# Altium PCB Proyecto0.PcbDoc (part 1 of 5) (continued)
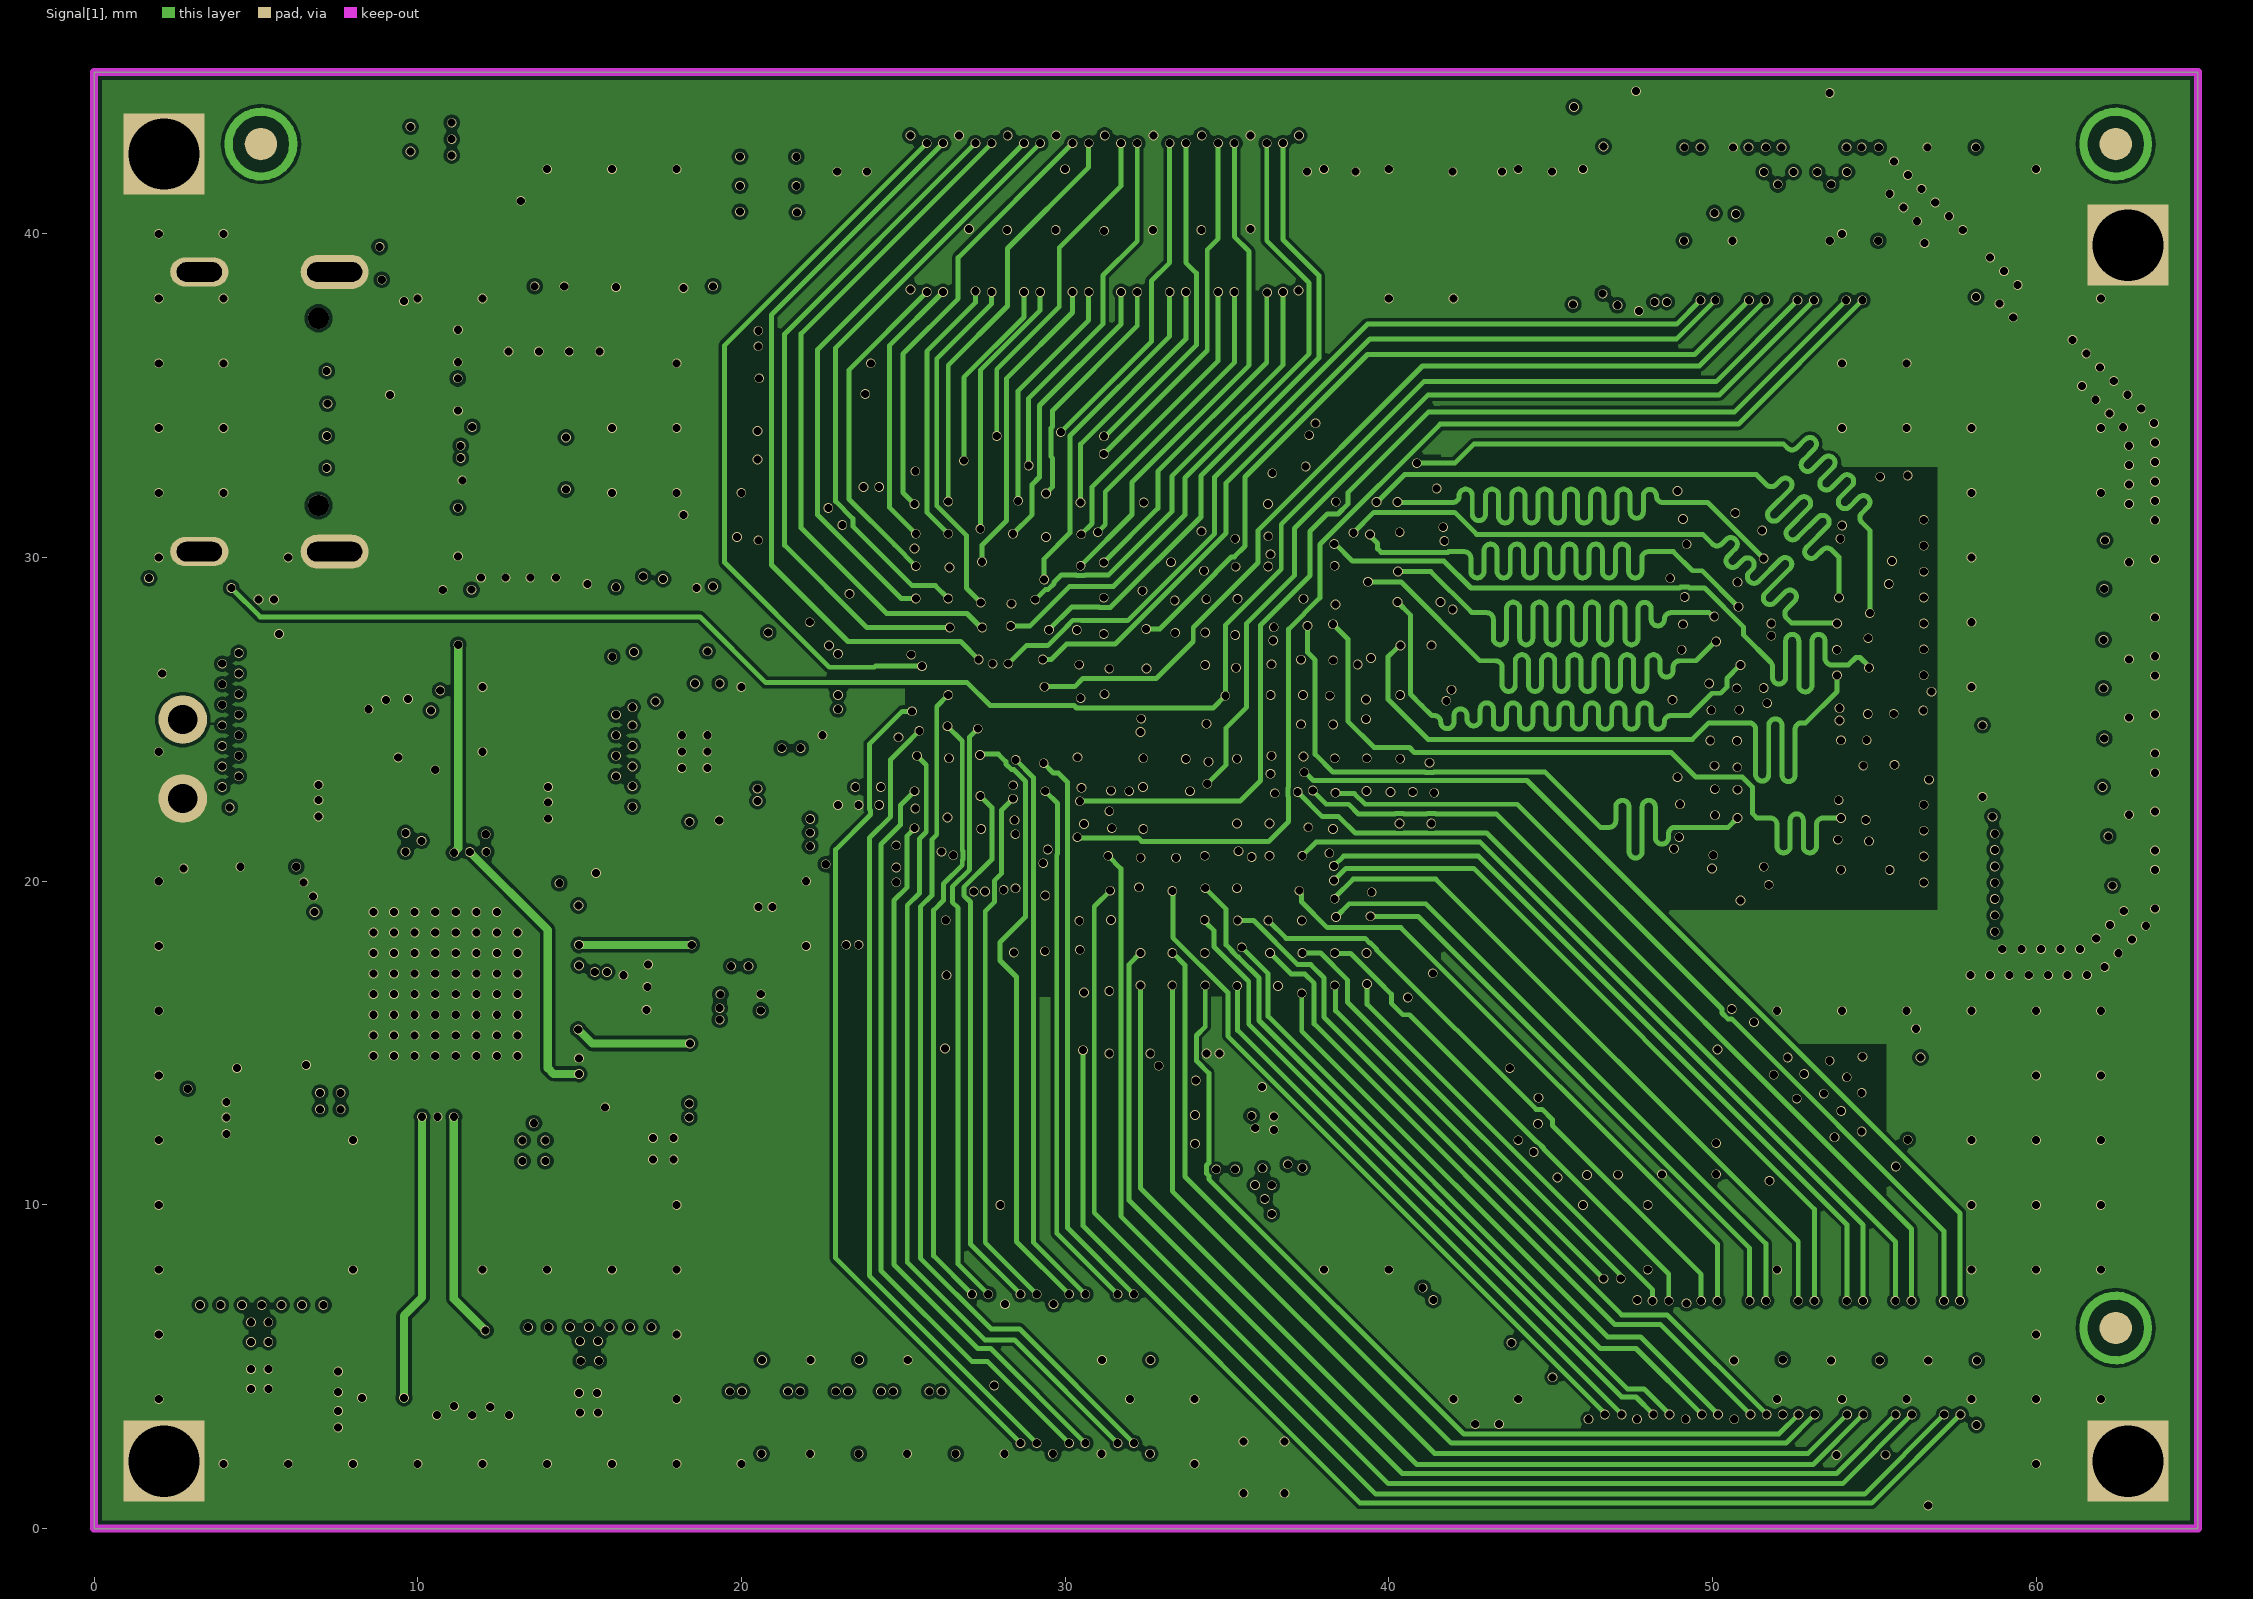
[diagram p4: Signal[1]]
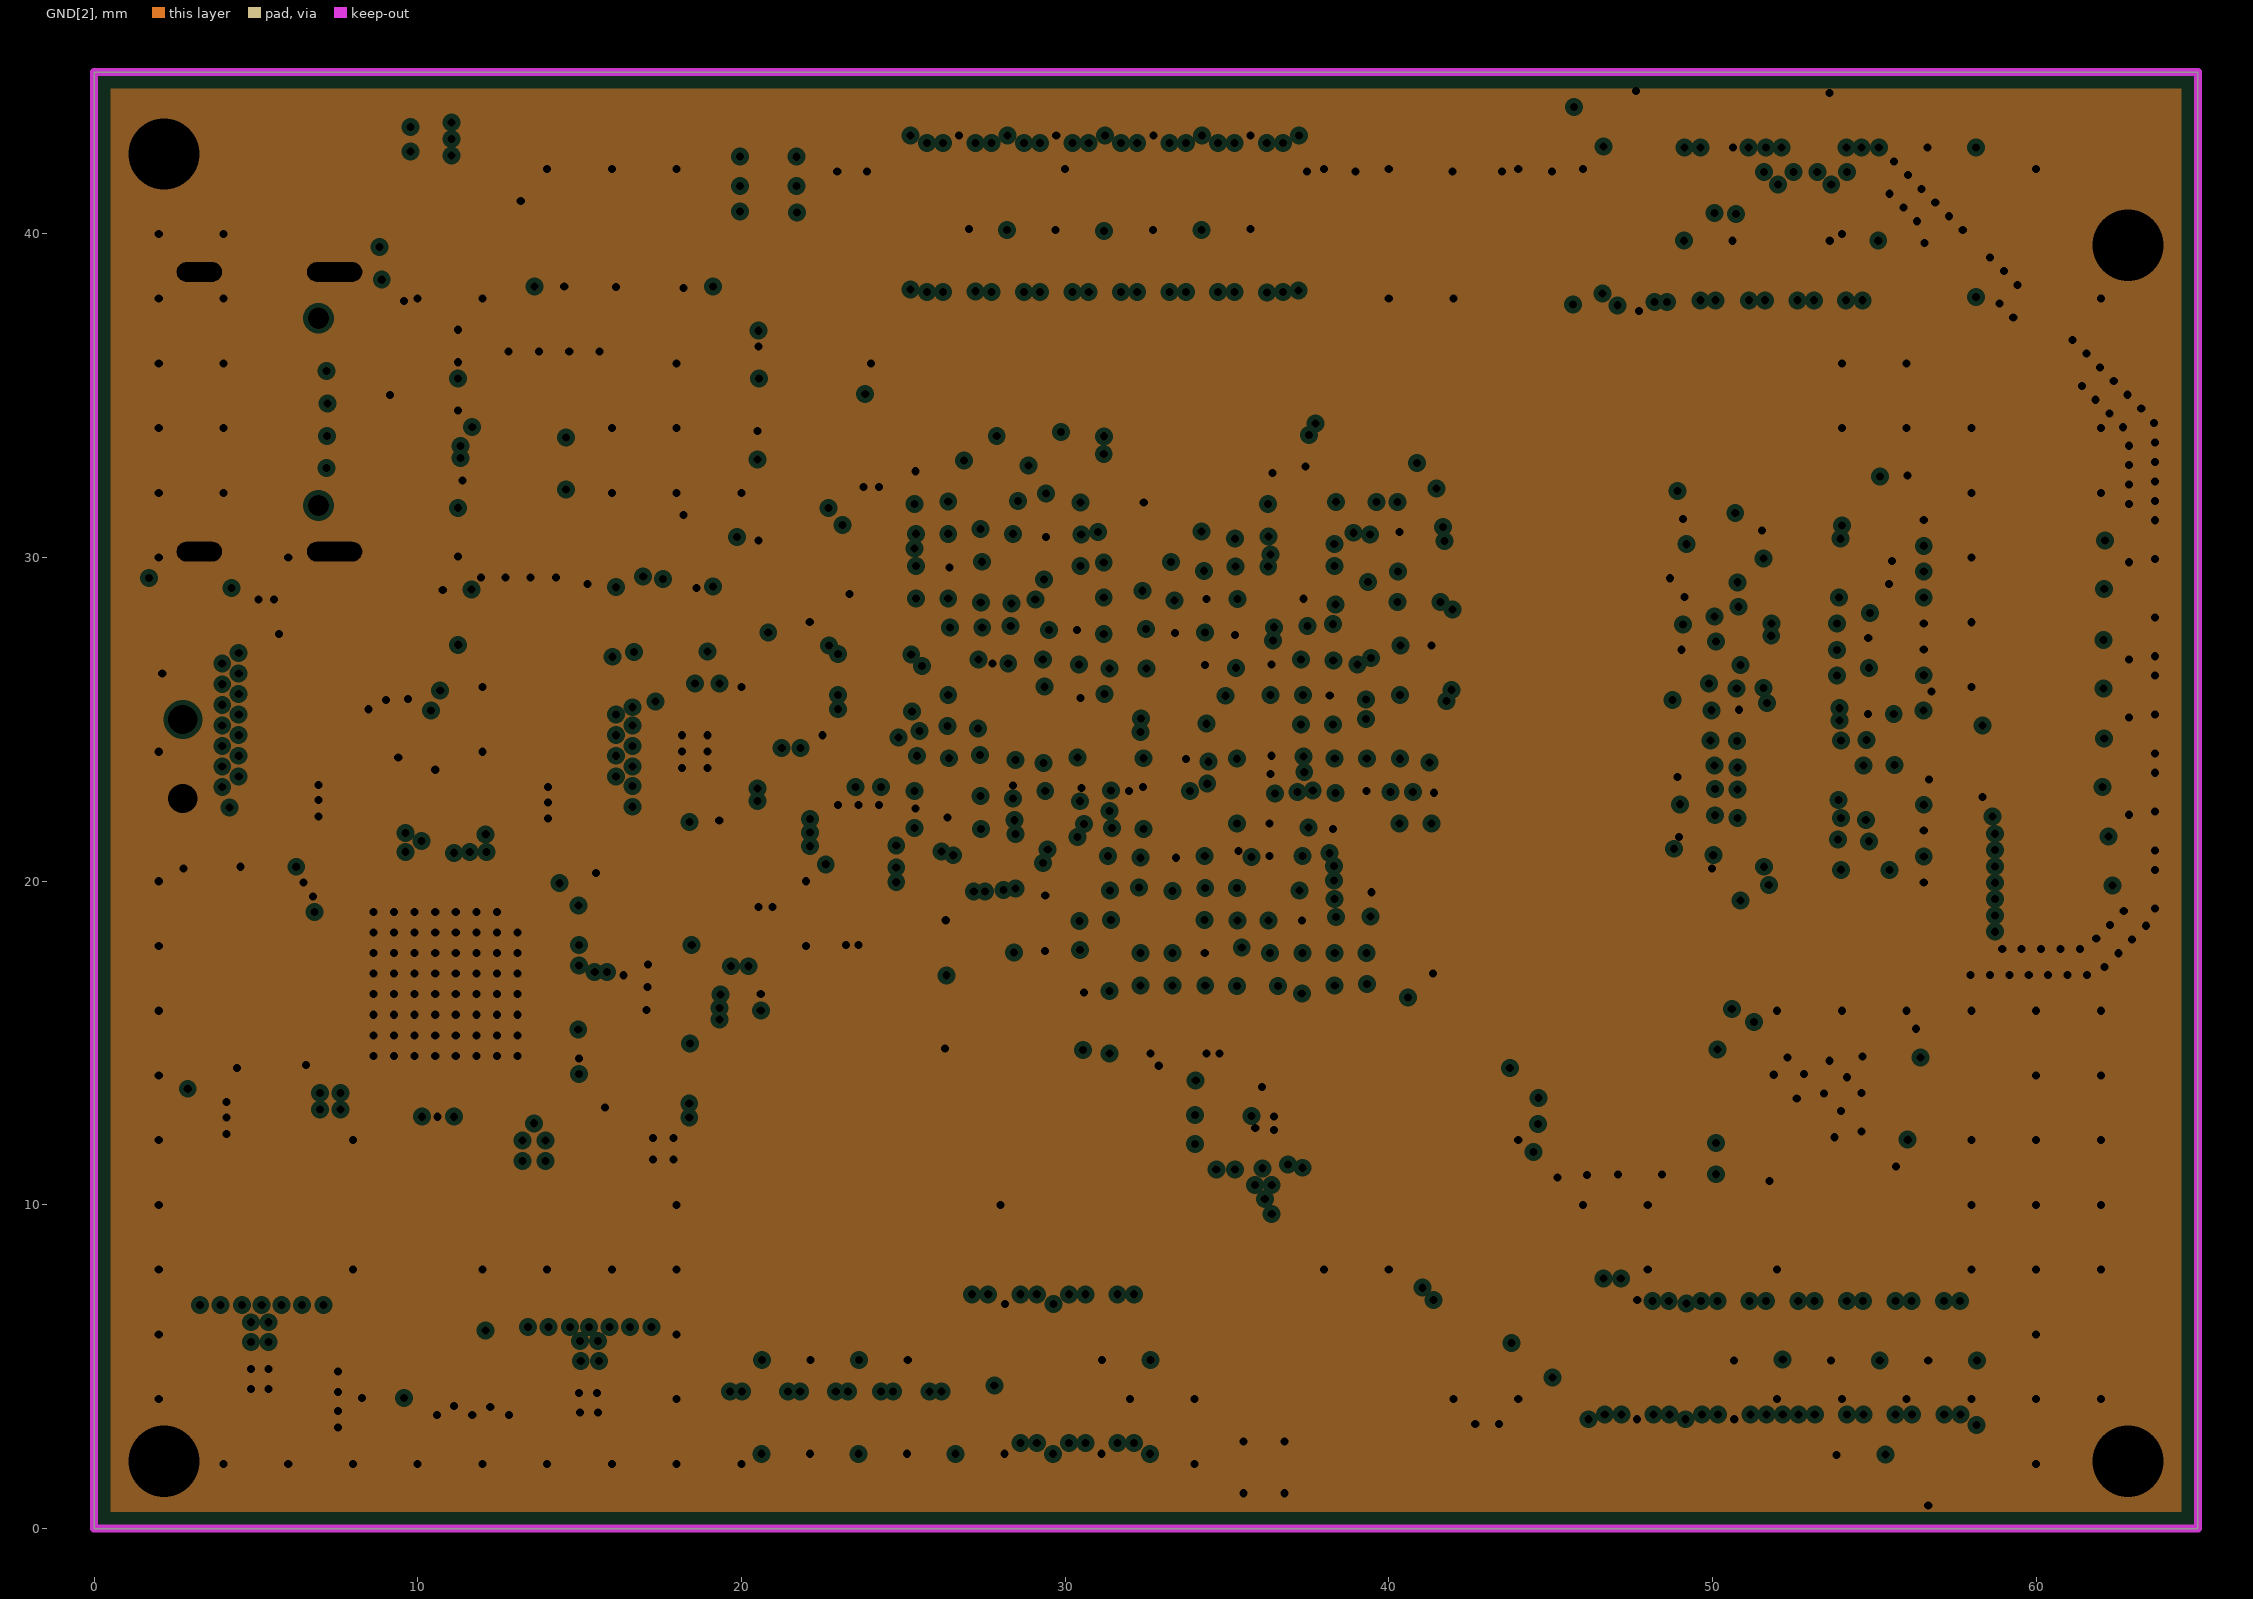
[diagram p5: GND[2], clearances drawn from the general rule]
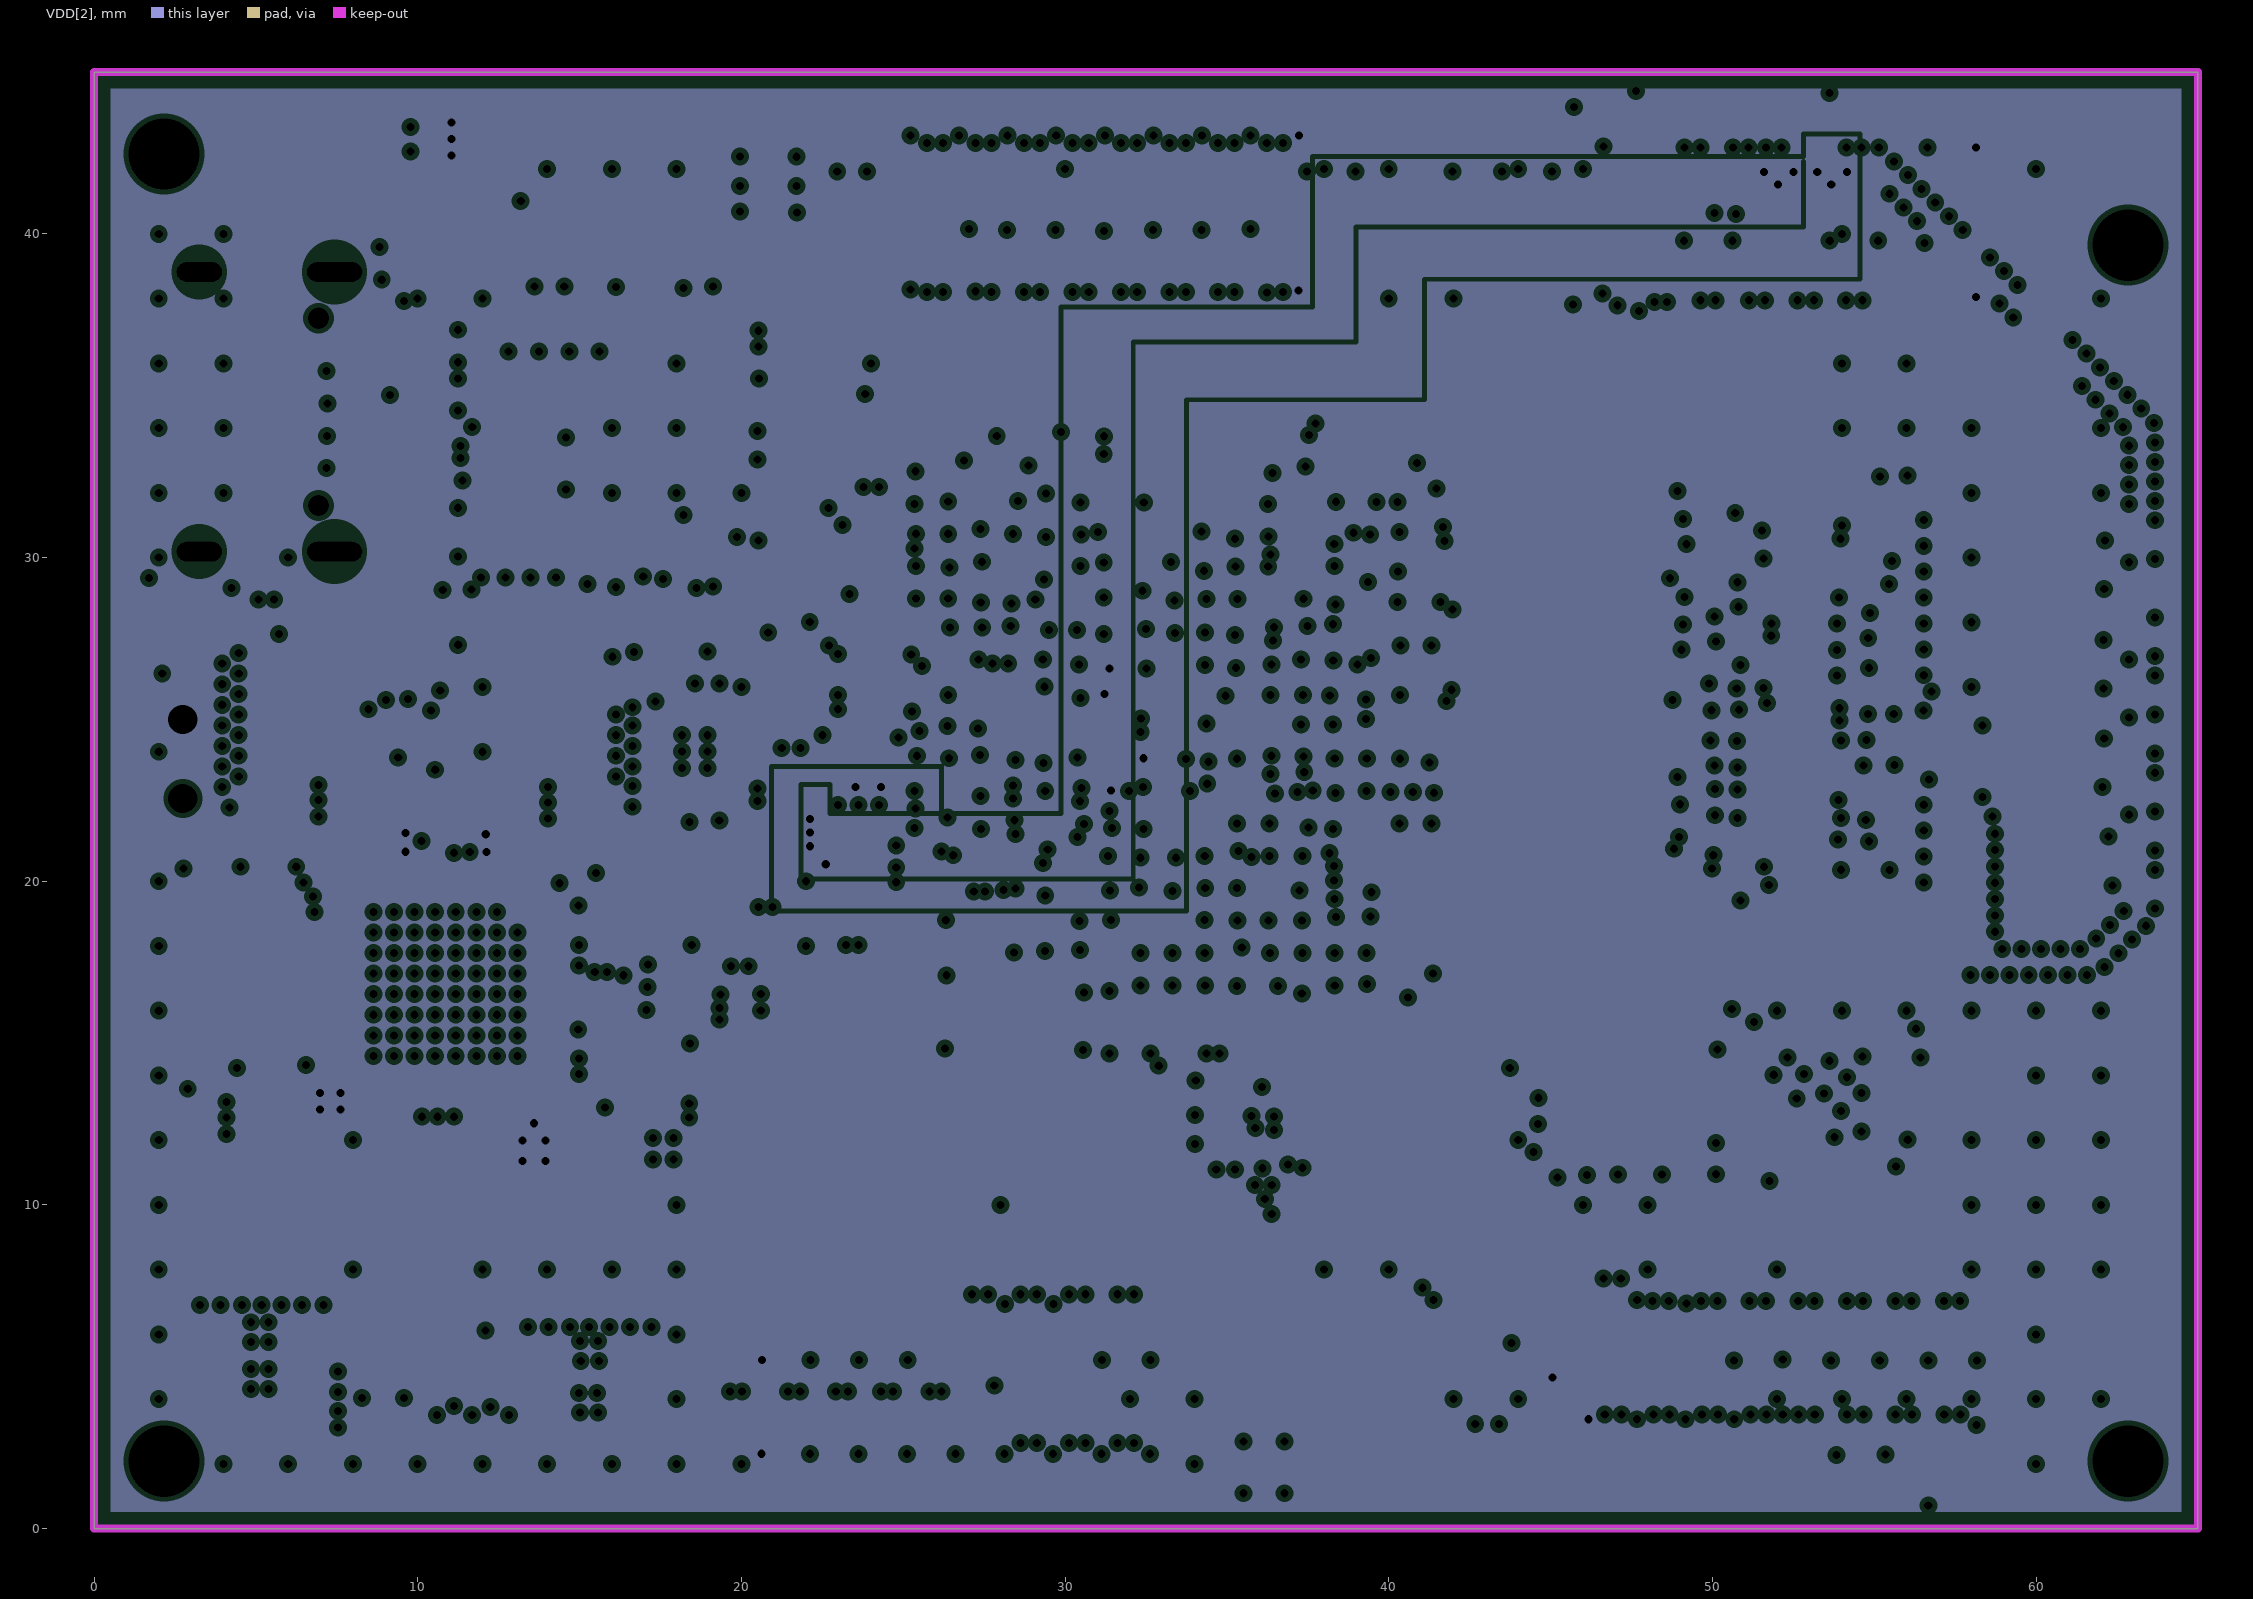
[diagram p6: VDD[2], clearances drawn from the general rule]
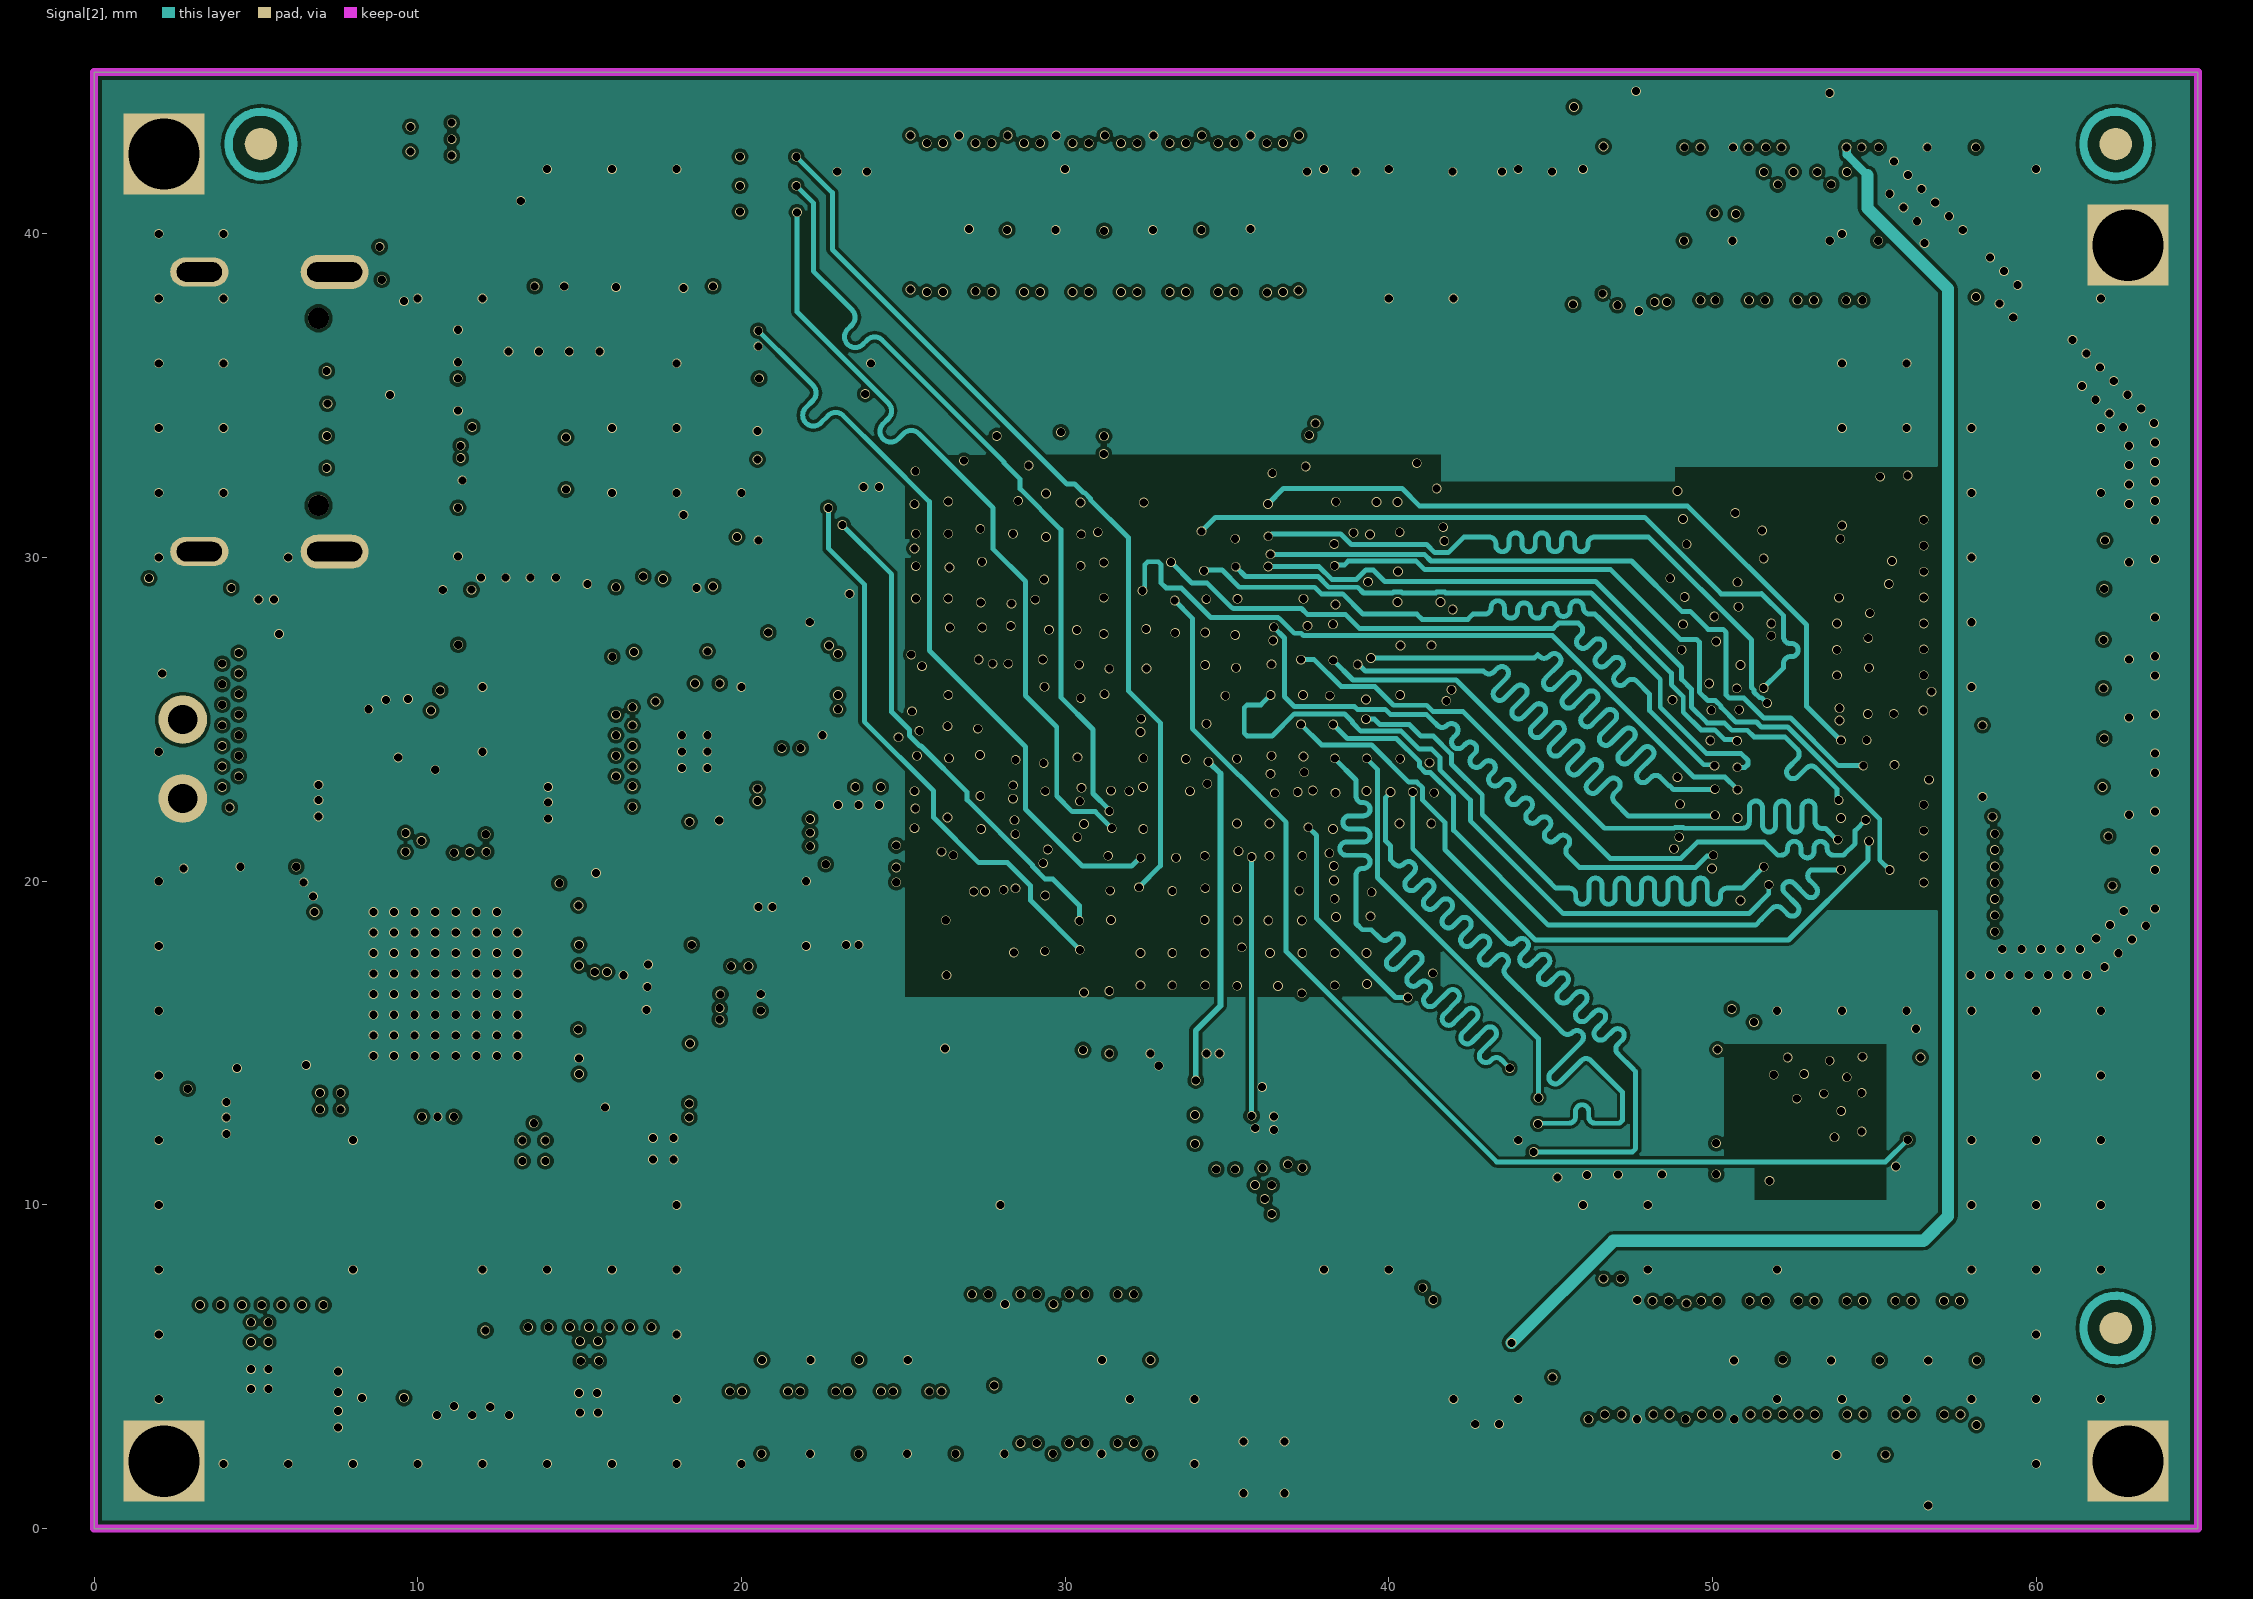
[diagram p7: Signal[2]]